# KiCad board Encoder_I2C_AS5600_Panel.kicad_pcb
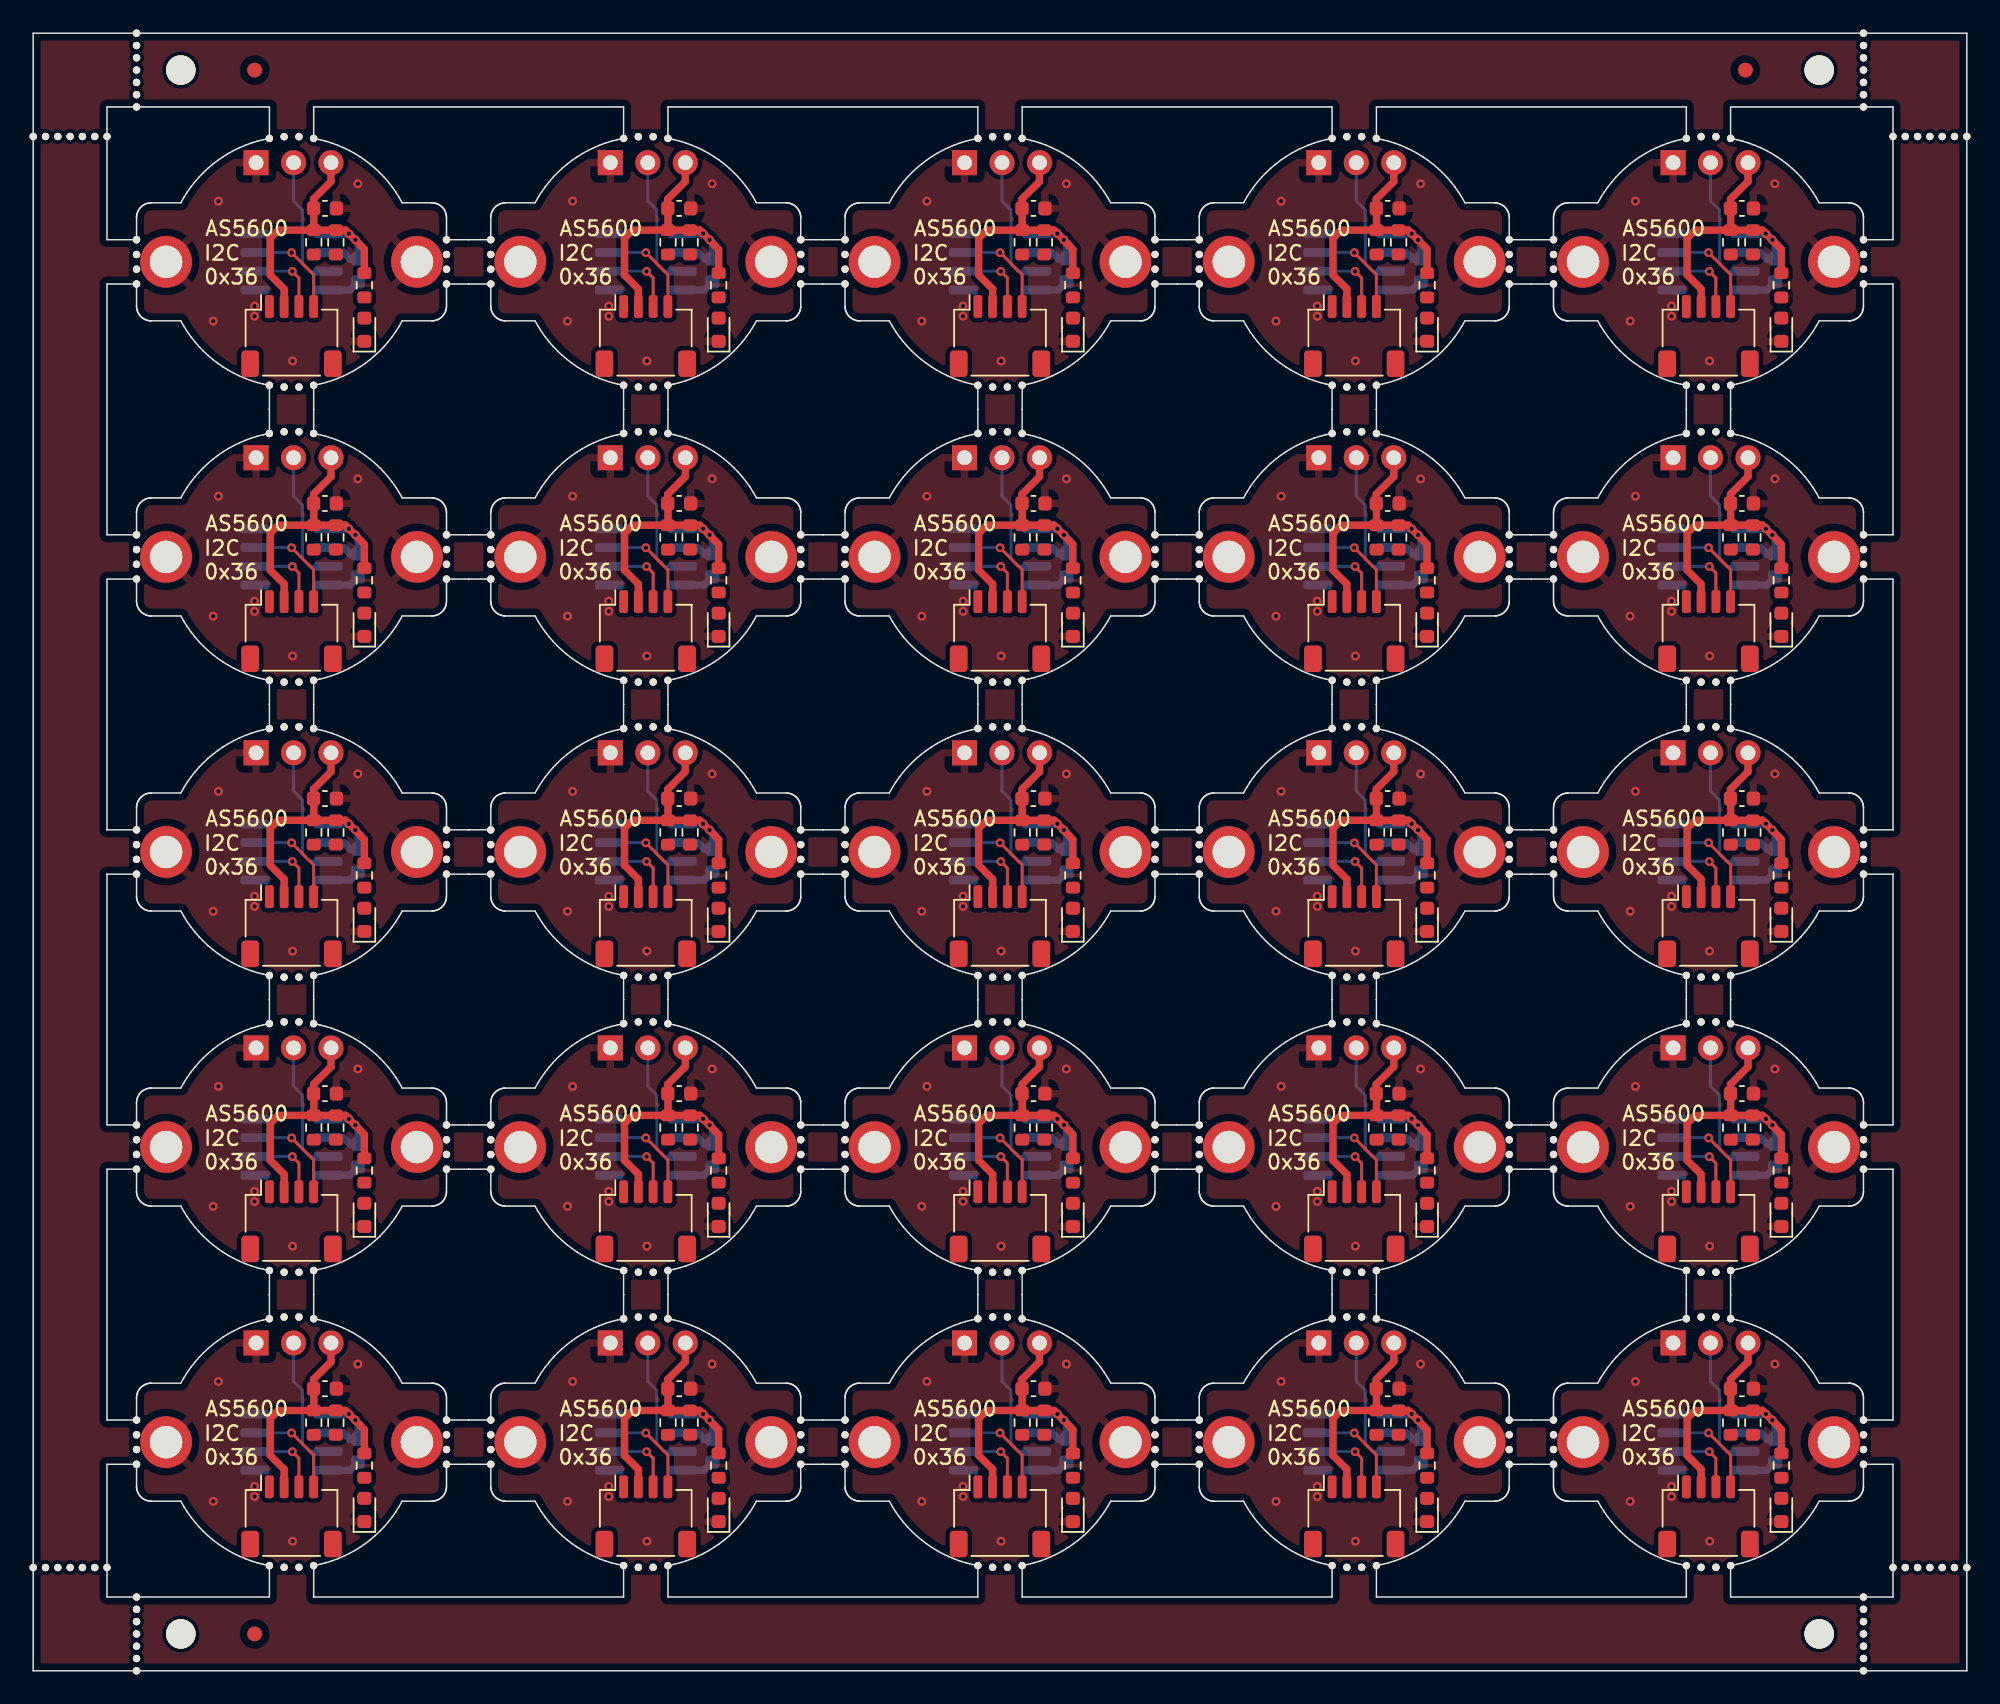
[diagram p0: board, top side]
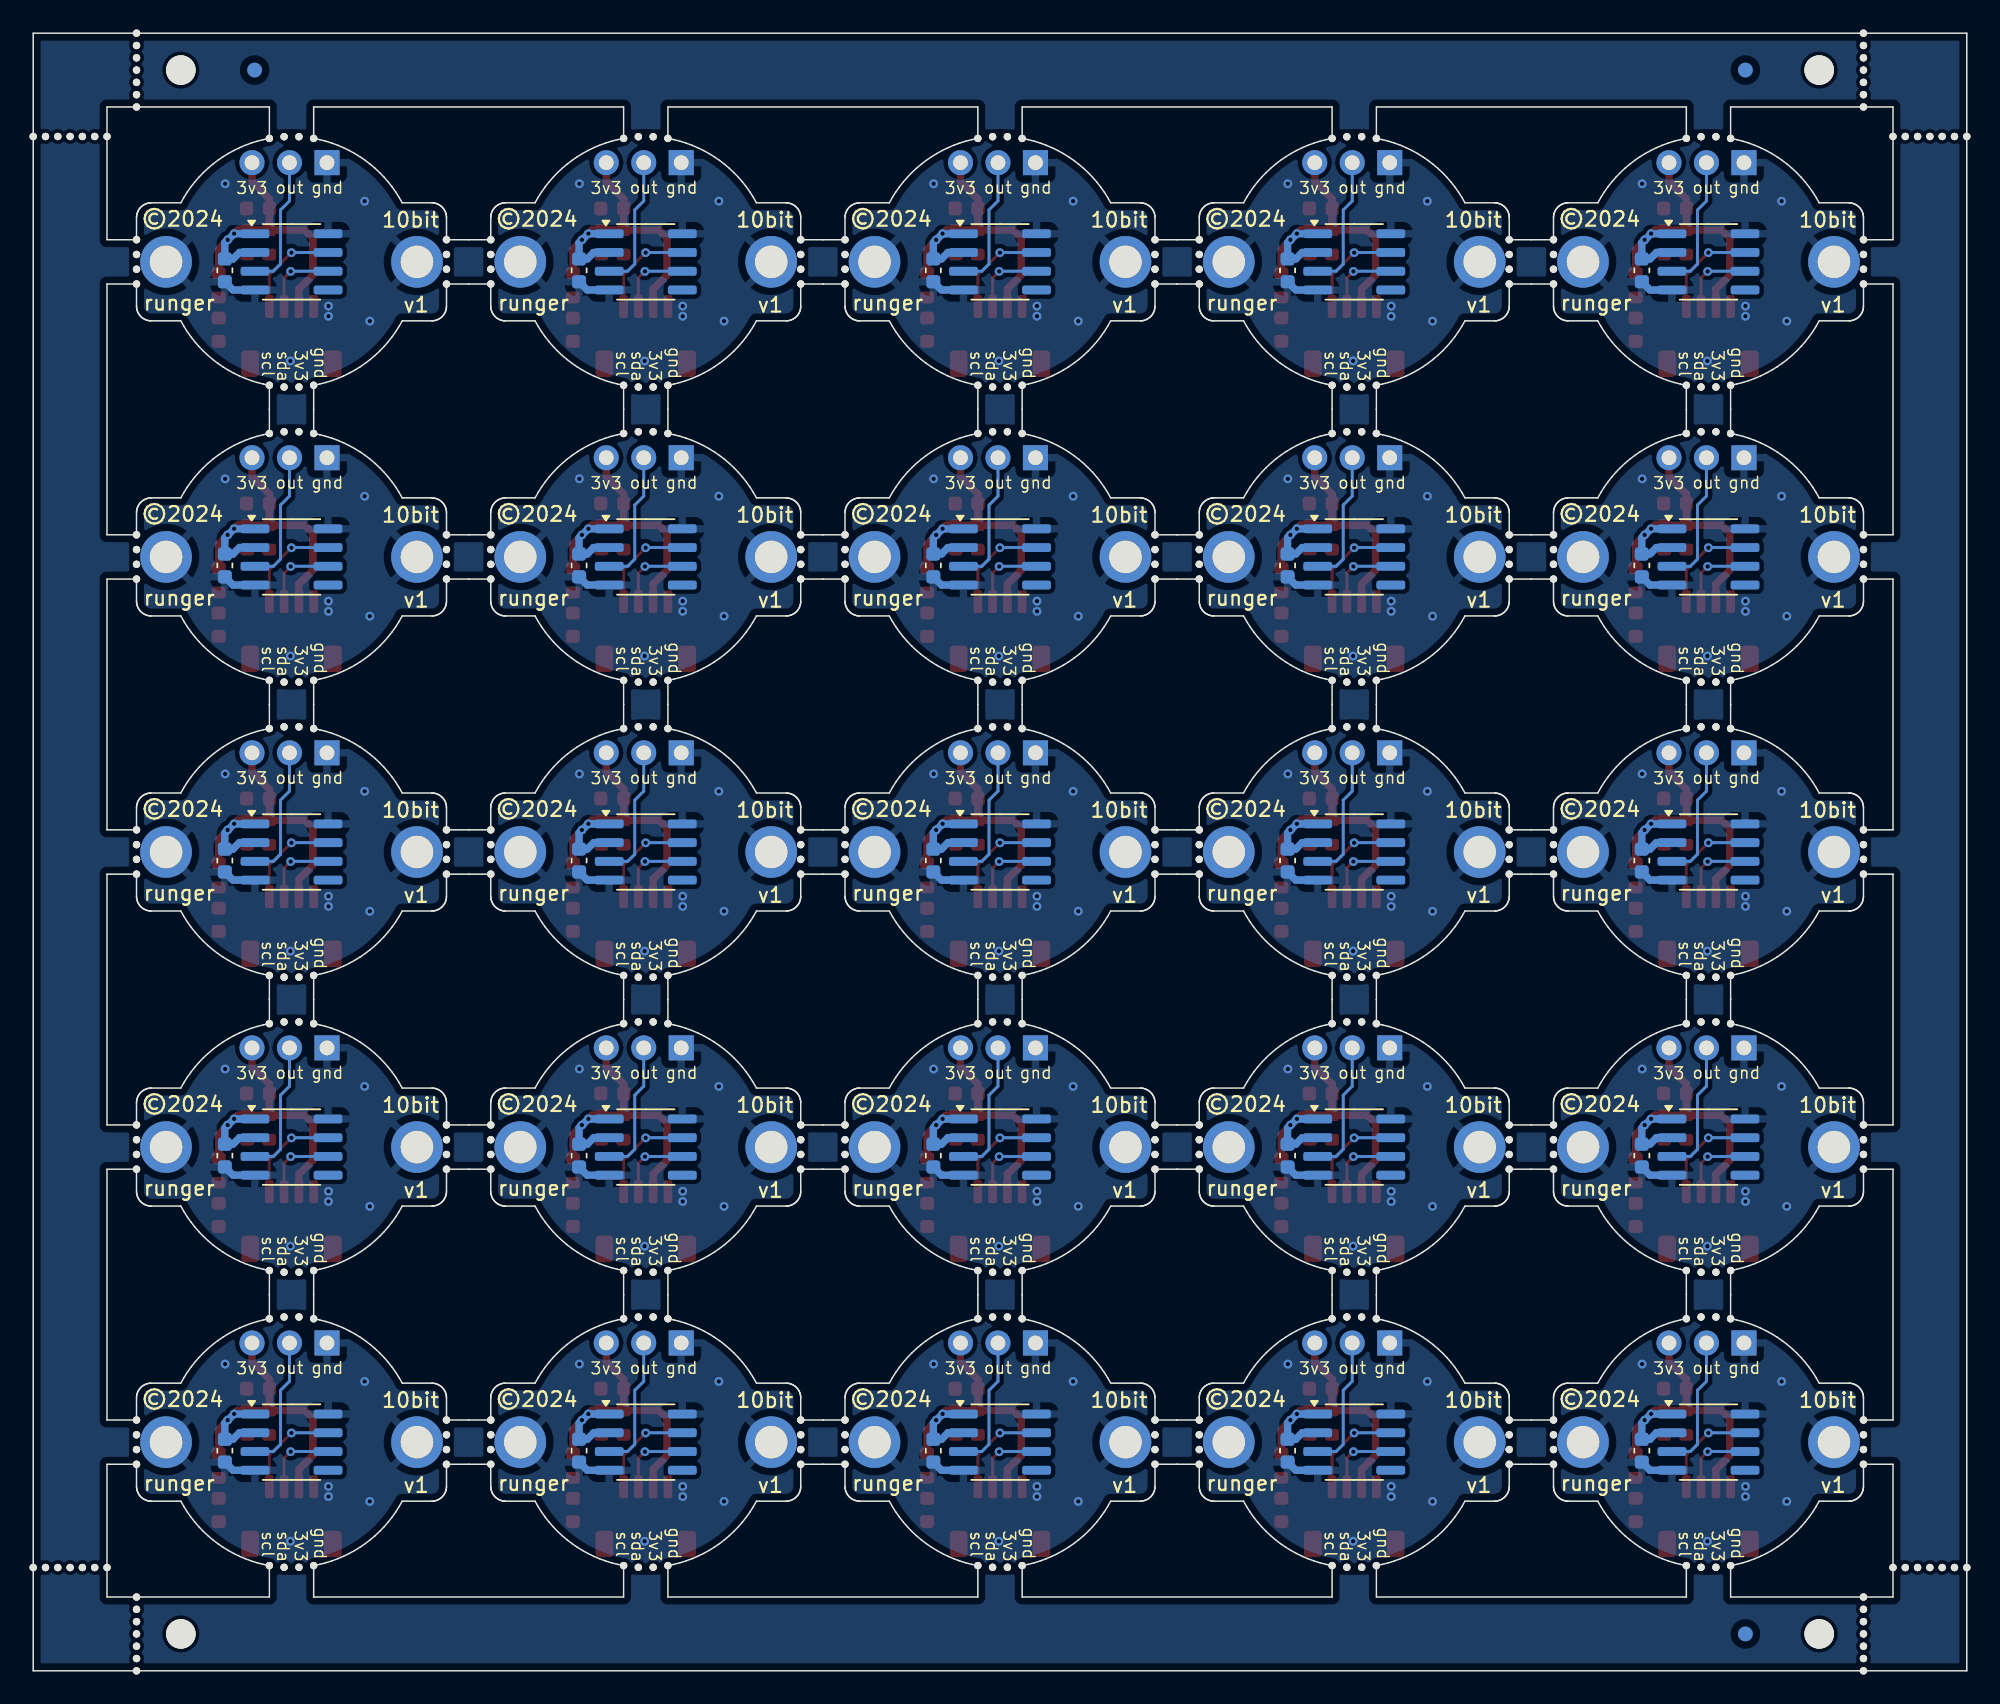
[diagram p1: board, bottom side, seen from below]

Outline 131 x 110.99 mm; copper layers: Top, Bottom. Coordinates in mm from the lower left corner of the outline.

## Placement (name value [footprint] x y rotation side)
C1  10uF  [C_0603_1608Metric]  115.77 99.12 0 top
C1#2  10uF  [C_0603_1608Metric]  91.77 19.12 0 top
C1#3  10uF  [C_0603_1608Metric]  115.77 59.12 0 top
C1#4  10uF  [C_0603_1608Metric]  67.77 39.12 0 top
C1#5  10uF  [C_0603_1608Metric]  91.77 99.12 0 top
C1#6  10uF  [C_0603_1608Metric]  91.77 39.12 0 top
C1#7  10uF  [C_0603_1608Metric]  43.77 39.12 0 top
C1#8  10uF  [C_0603_1608Metric]  67.77 79.12 0 top
C1#9  10uF  [C_0603_1608Metric]  67.77 19.12 0 top
C1#10  10uF  [C_0603_1608Metric]  19.77 59.12 0 top
C1#11  10uF  [C_0603_1608Metric]  67.77 99.12 0 top
C1#12  10uF  [C_0603_1608Metric]  67.77 59.12 0 top
C1#13  10uF  [C_0603_1608Metric]  115.77 79.12 0 top
C1#14  10uF  [C_0603_1608Metric]  43.77 79.12 0 top
C1#15  10uF  [C_0603_1608Metric]  43.77 59.12 0 top
C1#16  10uF  [C_0603_1608Metric]  91.77 59.12 0 top
C1#17  10uF  [C_0603_1608Metric]  19.77 99.12 0 top
C1#18  10uF  [C_0603_1608Metric]  43.77 99.12 0 top
C1#19  10uF  [C_0603_1608Metric]  19.77 39.12 0 top
C1#20  10uF  [C_0603_1608Metric]  115.77 19.12 0 top
C1#21  10uF  [C_0603_1608Metric]  19.77 19.12 0 top
C1#22  10uF  [C_0603_1608Metric]  43.77 19.12 0 top
C1#23  10uF  [C_0603_1608Metric]  19.77 79.12 0 top
C1#24  10uF  [C_0603_1608Metric]  91.77 79.12 0 top
C1#25  10uF  [C_0603_1608Metric]  115.77 39.12 0 top
C2  100nF  [C_0603_1608Metric]  94.02 14.92 90 bottom
C2#2  100nF  [C_0603_1608Metric]  46.02 34.92 90 bottom
C2#3  100nF  [C_0603_1608Metric]  46.02 74.92 90 bottom
C2#4  100nF  [C_0603_1608Metric]  70.02 74.92 90 bottom
C2#5  100nF  [C_0603_1608Metric]  94.02 74.92 90 bottom
C2#6  100nF  [C_0603_1608Metric]  46.02 94.92 90 bottom
C2#7  100nF  [C_0603_1608Metric]  118.02 54.92 90 bottom
C2#8  100nF  [C_0603_1608Metric]  22.02 54.92 90 bottom
C2#9  100nF  [C_0603_1608Metric]  22.02 94.92 90 bottom
C2#10  100nF  [C_0603_1608Metric]  70.02 54.92 90 bottom
C2#11  100nF  [C_0603_1608Metric]  94.02 54.92 90 bottom
C2#12  100nF  [C_0603_1608Metric]  22.02 74.92 90 bottom
C2#13  100nF  [C_0603_1608Metric]  118.02 74.92 90 bottom
C2#14  100nF  [C_0603_1608Metric]  118.02 94.92 90 bottom
C2#15  100nF  [C_0603_1608Metric]  70.02 34.92 90 bottom
C2#16  100nF  [C_0603_1608Metric]  46.02 14.92 90 bottom
C2#17  100nF  [C_0603_1608Metric]  94.02 94.92 90 bottom
C2#18  100nF  [C_0603_1608Metric]  94.02 34.92 90 bottom
C2#19  100nF  [C_0603_1608Metric]  70.02 14.92 90 bottom
C2#20  100nF  [C_0603_1608Metric]  118.02 14.92 90 bottom
C2#21  100nF  [C_0603_1608Metric]  22.02 34.92 90 bottom
C2#22  100nF  [C_0603_1608Metric]  46.02 54.92 90 bottom
C2#23  100nF  [C_0603_1608Metric]  70.02 94.92 90 bottom
C2#24  100nF  [C_0603_1608Metric]  22.02 14.92 90 bottom
C2#25  100nF  [C_0603_1608Metric]  118.02 34.92 90 bottom
D1  LED green  [LED_0603_1608Metric]  94.44 90.9 90 top
D1#2  LED green  [LED_0603_1608Metric]  118.44 90.9 90 top
D1#3  LED green  [LED_0603_1608Metric]  46.44 90.9 90 top
D1#4  LED green  [LED_0603_1608Metric]  46.44 30.9 90 top
D1#5  LED green  [LED_0603_1608Metric]  94.44 50.9 90 top
D1#6  LED green  [LED_0603_1608Metric]  22.44 10.9 90 top
D1#7  LED green  [LED_0603_1608Metric]  118.44 50.9 90 top
D1#8  LED green  [LED_0603_1608Metric]  70.44 30.9 90 top
D1#9  LED green  [LED_0603_1608Metric]  94.44 70.9 90 top
D1#10  LED green  [LED_0603_1608Metric]  46.44 10.9 90 top
D1#11  LED green  [LED_0603_1608Metric]  118.44 70.9 90 top
D1#12  LED green  [LED_0603_1608Metric]  70.44 70.9 90 top
D1#13  LED green  [LED_0603_1608Metric]  70.44 90.9 90 top
D1#14  LED green  [LED_0603_1608Metric]  46.44 70.9 90 top
D1#15  LED green  [LED_0603_1608Metric]  94.44 10.9 90 top
D1#16  LED green  [LED_0603_1608Metric]  22.44 30.9 90 top
D1#17  LED green  [LED_0603_1608Metric]  70.44 50.9 90 top
D1#18  LED green  [LED_0603_1608Metric]  46.44 50.9 90 top
D1#19  LED green  [LED_0603_1608Metric]  22.44 70.9 90 top
D1#20  LED green  [LED_0603_1608Metric]  22.44 90.9 90 top
D1#21  LED green  [LED_0603_1608Metric]  118.44 30.9 90 top
D1#22  LED green  [LED_0603_1608Metric]  94.44 30.9 90 top
D1#23  LED green  [LED_0603_1608Metric]  22.44 50.9 90 top
D1#24  LED green  [LED_0603_1608Metric]  70.44 10.9 90 top
D1#25  LED green  [LED_0603_1608Metric]  118.44 10.9 90 top
H1  MountingHole_Pad  [MountingHole_2.2mm_M2_ISO7380_Pad]  33 15.5 0 top
H1#2  MountingHole_Pad  [MountingHole_2.2mm_M2_ISO7380_Pad]  9 95.5 0 top
H1#3  MountingHole_Pad  [MountingHole_2.2mm_M2_ISO7380_Pad]  57 35.5 0 top
H1#4  MountingHole_Pad  [MountingHole_2.2mm_M2_ISO7380_Pad]  105 55.5 0 top
H1#5  MountingHole_Pad  [MountingHole_2.2mm_M2_ISO7380_Pad]  33 35.5 0 top
H1#6  MountingHole_Pad  [MountingHole_2.2mm_M2_ISO7380_Pad]  33 75.5 0 top
H1#7  MountingHole_Pad  [MountingHole_2.2mm_M2_ISO7380_Pad]  81 15.5 0 top
H1#8  MountingHole_Pad  [MountingHole_2.2mm_M2_ISO7380_Pad]  105 95.5 0 top
H1#9  MountingHole_Pad  [MountingHole_2.2mm_M2_ISO7380_Pad]  105 35.5 0 top
H1#10  MountingHole_Pad  [MountingHole_2.2mm_M2_ISO7380_Pad]  33 55.5 0 top
H1#11  MountingHole_Pad  [MountingHole_2.2mm_M2_ISO7380_Pad]  9 55.5 0 top
H1#12  MountingHole_Pad  [MountingHole_2.2mm_M2_ISO7380_Pad]  57 15.5 0 top
H1#13  MountingHole_Pad  [MountingHole_2.2mm_M2_ISO7380_Pad]  57 95.5 0 top
H1#14  MountingHole_Pad  [MountingHole_2.2mm_M2_ISO7380_Pad]  81 55.5 0 top
H1#15  MountingHole_Pad  [MountingHole_2.2mm_M2_ISO7380_Pad]  105 15.5 0 top
H1#16  MountingHole_Pad  [MountingHole_2.2mm_M2_ISO7380_Pad]  81 75.5 0 top
H1#17  MountingHole_Pad  [MountingHole_2.2mm_M2_ISO7380_Pad]  81 95.5 0 top
H1#18  MountingHole_Pad  [MountingHole_2.2mm_M2_ISO7380_Pad]  57 55.5 0 top
H1#19  MountingHole_Pad  [MountingHole_2.2mm_M2_ISO7380_Pad]  9 35.5 0 top
H1#20  MountingHole_Pad  [MountingHole_2.2mm_M2_ISO7380_Pad]  81 35.5 0 top
H1#21  MountingHole_Pad  [MountingHole_2.2mm_M2_ISO7380_Pad]  57 75.5 0 top
H1#22  MountingHole_Pad  [MountingHole_2.2mm_M2_ISO7380_Pad]  9 15.5 0 top
H1#23  MountingHole_Pad  [MountingHole_2.2mm_M2_ISO7380_Pad]  105 75.5 0 top
H1#24  MountingHole_Pad  [MountingHole_2.2mm_M2_ISO7380_Pad]  9 75.5 0 top
H1#25  MountingHole_Pad  [MountingHole_2.2mm_M2_ISO7380_Pad]  33 95.5 0 top
H2  MountingHole_Pad  [MountingHole_2.2mm_M2_ISO7380_Pad]  98 95.5 0 top
H2#2  MountingHole_Pad  [MountingHole_2.2mm_M2_ISO7380_Pad]  50 15.5 0 top
H2#3  MountingHole_Pad  [MountingHole_2.2mm_M2_ISO7380_Pad]  74 95.5 0 top
H2#4  MountingHole_Pad  [MountingHole_2.2mm_M2_ISO7380_Pad]  98 55.5 0 top
H2#5  MountingHole_Pad  [MountingHole_2.2mm_M2_ISO7380_Pad]  26 35.5 0 top
H2#6  MountingHole_Pad  [MountingHole_2.2mm_M2_ISO7380_Pad]  74 55.5 0 top
H2#7  MountingHole_Pad  [MountingHole_2.2mm_M2_ISO7380_Pad]  122 75.5 0 top
H2#8  MountingHole_Pad  [MountingHole_2.2mm_M2_ISO7380_Pad]  74 15.5 0 top
H2#9  MountingHole_Pad  [MountingHole_2.2mm_M2_ISO7380_Pad]  26 15.5 0 top
H2#10  MountingHole_Pad  [MountingHole_2.2mm_M2_ISO7380_Pad]  122 55.5 0 top
H2#11  MountingHole_Pad  [MountingHole_2.2mm_M2_ISO7380_Pad]  50 35.5 0 top
H2#12  MountingHole_Pad  [MountingHole_2.2mm_M2_ISO7380_Pad]  50 95.5 0 top
H2#13  MountingHole_Pad  [MountingHole_2.2mm_M2_ISO7380_Pad]  122 15.5 0 top
H2#14  MountingHole_Pad  [MountingHole_2.2mm_M2_ISO7380_Pad]  98 75.5 0 top
H2#15  MountingHole_Pad  [MountingHole_2.2mm_M2_ISO7380_Pad]  26 95.5 0 top
H2#16  MountingHole_Pad  [MountingHole_2.2mm_M2_ISO7380_Pad]  122 35.5 0 top
H2#17  MountingHole_Pad  [MountingHole_2.2mm_M2_ISO7380_Pad]  50 55.5 0 top
H2#18  MountingHole_Pad  [MountingHole_2.2mm_M2_ISO7380_Pad]  122 95.5 0 top
H2#19  MountingHole_Pad  [MountingHole_2.2mm_M2_ISO7380_Pad]  98 15.5 0 top
H2#20  MountingHole_Pad  [MountingHole_2.2mm_M2_ISO7380_Pad]  74 35.5 0 top
H2#21  MountingHole_Pad  [MountingHole_2.2mm_M2_ISO7380_Pad]  26 55.5 0 top
H2#22  MountingHole_Pad  [MountingHole_2.2mm_M2_ISO7380_Pad]  26 75.5 0 top
H2#23  MountingHole_Pad  [MountingHole_2.2mm_M2_ISO7380_Pad]  50 75.5 0 top
H2#24  MountingHole_Pad  [MountingHole_2.2mm_M2_ISO7380_Pad]  74 75.5 0 top
H2#25  MountingHole_Pad  [MountingHole_2.2mm_M2_ISO7380_Pad]  98 35.5 0 top
IC1  AS5600L  [SOIC-8_3.9x4.9mm_P1.27mm]  89.5 75.5 180 bottom
IC1#2  AS5600L  [SOIC-8_3.9x4.9mm_P1.27mm]  65.5 95.5 180 bottom
IC1#3  AS5600L  [SOIC-8_3.9x4.9mm_P1.27mm]  17.5 95.5 180 bottom
IC1#4  AS5600L  [SOIC-8_3.9x4.9mm_P1.27mm]  113.5 15.5 180 bottom
IC1#5  AS5600L  [SOIC-8_3.9x4.9mm_P1.27mm]  113.5 55.5 180 bottom
IC1#6  AS5600L  [SOIC-8_3.9x4.9mm_P1.27mm]  41.5 35.5 180 bottom
IC1#7  AS5600L  [SOIC-8_3.9x4.9mm_P1.27mm]  65.5 35.5 180 bottom
IC1#8  AS5600L  [SOIC-8_3.9x4.9mm_P1.27mm]  65.5 75.5 180 bottom
IC1#9  AS5600L  [SOIC-8_3.9x4.9mm_P1.27mm]  17.5 35.5 180 bottom
IC1#10  AS5600L  [SOIC-8_3.9x4.9mm_P1.27mm]  17.5 75.5 180 bottom
IC1#11  AS5600L  [SOIC-8_3.9x4.9mm_P1.27mm]  65.5 55.5 180 bottom
IC1#12  AS5600L  [SOIC-8_3.9x4.9mm_P1.27mm]  89.5 15.5 180 bottom
IC1#13  AS5600L  [SOIC-8_3.9x4.9mm_P1.27mm]  113.5 75.5 180 bottom
IC1#14  AS5600L  [SOIC-8_3.9x4.9mm_P1.27mm]  89.5 35.5 180 bottom
IC1#15  AS5600L  [SOIC-8_3.9x4.9mm_P1.27mm]  113.5 95.5 180 bottom
IC1#16  AS5600L  [SOIC-8_3.9x4.9mm_P1.27mm]  41.5 55.5 180 bottom
IC1#17  AS5600L  [SOIC-8_3.9x4.9mm_P1.27mm]  89.5 95.5 180 bottom
IC1#18  AS5600L  [SOIC-8_3.9x4.9mm_P1.27mm]  89.5 55.5 180 bottom
IC1#19  AS5600L  [SOIC-8_3.9x4.9mm_P1.27mm]  41.5 15.5 180 bottom
IC1#20  AS5600L  [SOIC-8_3.9x4.9mm_P1.27mm]  41.5 95.5 180 bottom
IC1#21  AS5600L  [SOIC-8_3.9x4.9mm_P1.27mm]  17.5 55.5 180 bottom
IC1#22  AS5600L  [SOIC-8_3.9x4.9mm_P1.27mm]  17.5 15.5 180 bottom
IC1#23  AS5600L  [SOIC-8_3.9x4.9mm_P1.27mm]  113.5 35.5 180 bottom
IC1#24  AS5600L  [SOIC-8_3.9x4.9mm_P1.27mm]  65.5 15.5 180 bottom
IC1#25  AS5600L  [SOIC-8_3.9x4.9mm_P1.27mm]  41.5 75.5 180 bottom
J1  Conn_01x04  [JST_SH_SM04B-SRSS-TB_1x04-1MP_P1.00mm_Horizontal]  41.5 90.47 0 top
J1#2  Conn_01x04  [JST_SH_SM04B-SRSS-TB_1x04-1MP_P1.00mm_Horizontal]  113.5 90.47 0 top
J1#3  Conn_01x04  [JST_SH_SM04B-SRSS-TB_1x04-1MP_P1.00mm_Horizontal]  65.5 70.47 0 top
J1#4  Conn_01x04  [JST_SH_SM04B-SRSS-TB_1x04-1MP_P1.00mm_Horizontal]  41.5 10.47 0 top
J1#5  Conn_01x04  [JST_SH_SM04B-SRSS-TB_1x04-1MP_P1.00mm_Horizontal]  113.5 70.47 0 top
J1#6  Conn_01x04  [JST_SH_SM04B-SRSS-TB_1x04-1MP_P1.00mm_Horizontal]  65.5 10.47 0 top
J1#7  Conn_01x04  [JST_SH_SM04B-SRSS-TB_1x04-1MP_P1.00mm_Horizontal]  89.5 50.47 0 top
J1#8  Conn_01x04  [JST_SH_SM04B-SRSS-TB_1x04-1MP_P1.00mm_Horizontal]  17.5 90.47 0 top
J1#9  Conn_01x04  [JST_SH_SM04B-SRSS-TB_1x04-1MP_P1.00mm_Horizontal]  89.5 90.47 0 top
J1#10  Conn_01x04  [JST_SH_SM04B-SRSS-TB_1x04-1MP_P1.00mm_Horizontal]  17.5 70.47 0 top
J1#11  Conn_01x04  [JST_SH_SM04B-SRSS-TB_1x04-1MP_P1.00mm_Horizontal]  65.5 30.47 0 top
J1#12  Conn_01x04  [JST_SH_SM04B-SRSS-TB_1x04-1MP_P1.00mm_Horizontal]  113.5 10.47 0 top
J1#13  Conn_01x04  [JST_SH_SM04B-SRSS-TB_1x04-1MP_P1.00mm_Horizontal]  41.5 70.47 0 top
J1#14  Conn_01x04  [JST_SH_SM04B-SRSS-TB_1x04-1MP_P1.00mm_Horizontal]  41.5 30.47 0 top
J1#15  Conn_01x04  [JST_SH_SM04B-SRSS-TB_1x04-1MP_P1.00mm_Horizontal]  17.5 50.47 0 top
J1#16  Conn_01x04  [JST_SH_SM04B-SRSS-TB_1x04-1MP_P1.00mm_Horizontal]  113.5 50.47 0 top
J1#17  Conn_01x04  [JST_SH_SM04B-SRSS-TB_1x04-1MP_P1.00mm_Horizontal]  89.5 10.47 0 top
J1#18  Conn_01x04  [JST_SH_SM04B-SRSS-TB_1x04-1MP_P1.00mm_Horizontal]  113.5 30.47 0 top
J1#19  Conn_01x04  [JST_SH_SM04B-SRSS-TB_1x04-1MP_P1.00mm_Horizontal]  65.5 90.47 0 top
J1#20  Conn_01x04  [JST_SH_SM04B-SRSS-TB_1x04-1MP_P1.00mm_Horizontal]  65.5 50.47 0 top
J1#21  Conn_01x04  [JST_SH_SM04B-SRSS-TB_1x04-1MP_P1.00mm_Horizontal]  89.5 30.47 0 top
J1#22  Conn_01x04  [JST_SH_SM04B-SRSS-TB_1x04-1MP_P1.00mm_Horizontal]  17.5 30.47 0 top
J1#23  Conn_01x04  [JST_SH_SM04B-SRSS-TB_1x04-1MP_P1.00mm_Horizontal]  17.5 10.47 0 top
J1#24  Conn_01x04  [JST_SH_SM04B-SRSS-TB_1x04-1MP_P1.00mm_Horizontal]  89.5 70.47 0 top
J1#25  Conn_01x04  [JST_SH_SM04B-SRSS-TB_1x04-1MP_P1.00mm_Horizontal]  41.5 50.47 0 top
J3  Conn_01x03  [PinHeader_1x03_P2.54mm_Vertical]  87.1 102.22 90 top
J3#2  Conn_01x03  [PinHeader_1x03_P2.54mm_Vertical]  39.1 102.22 90 top
J3#3  Conn_01x03  [PinHeader_1x03_P2.54mm_Vertical]  87.1 22.22 90 top
J3#4  Conn_01x03  [PinHeader_1x03_P2.54mm_Vertical]  63.1 62.22 90 top
J3#5  Conn_01x03  [PinHeader_1x03_P2.54mm_Vertical]  111.1 42.22 90 top
J3#6  Conn_01x03  [PinHeader_1x03_P2.54mm_Vertical]  15.1 22.22 90 top
J3#7  Conn_01x03  [PinHeader_1x03_P2.54mm_Vertical]  39.1 42.22 90 top
J3#8  Conn_01x03  [PinHeader_1x03_P2.54mm_Vertical]  15.1 82.22 90 top
J3#9  Conn_01x03  [PinHeader_1x03_P2.54mm_Vertical]  87.1 82.22 90 top
J3#10  Conn_01x03  [PinHeader_1x03_P2.54mm_Vertical]  111.1 82.22 90 top
J3#11  Conn_01x03  [PinHeader_1x03_P2.54mm_Vertical]  63.1 82.22 90 top
J3#12  Conn_01x03  [PinHeader_1x03_P2.54mm_Vertical]  63.1 22.22 90 top
J3#13  Conn_01x03  [PinHeader_1x03_P2.54mm_Vertical]  63.1 102.22 90 top
J3#14  Conn_01x03  [PinHeader_1x03_P2.54mm_Vertical]  15.1 42.22 90 top
J3#15  Conn_01x03  [PinHeader_1x03_P2.54mm_Vertical]  87.1 62.22 90 top
J3#16  Conn_01x03  [PinHeader_1x03_P2.54mm_Vertical]  111.1 62.22 90 top
J3#17  Conn_01x03  [PinHeader_1x03_P2.54mm_Vertical]  39.1 22.22 90 top
J3#18  Conn_01x03  [PinHeader_1x03_P2.54mm_Vertical]  15.1 62.22 90 top
J3#19  Conn_01x03  [PinHeader_1x03_P2.54mm_Vertical]  39.1 82.22 90 top
J3#20  Conn_01x03  [PinHeader_1x03_P2.54mm_Vertical]  87.1 42.22 90 top
J3#21  Conn_01x03  [PinHeader_1x03_P2.54mm_Vertical]  111.1 102.22 90 top
J3#22  Conn_01x03  [PinHeader_1x03_P2.54mm_Vertical]  39.1 62.22 90 top
J3#23  Conn_01x03  [PinHeader_1x03_P2.54mm_Vertical]  63.1 42.22 90 top
J3#24  Conn_01x03  [PinHeader_1x03_P2.54mm_Vertical]  111.1 22.22 90 top
J3#25  Conn_01x03  [PinHeader_1x03_P2.54mm_Vertical]  15.1 102.22 90 top
KiKit_FID_B_1  -  [Fiducial]  15 108.49 0 bottom
KiKit_FID_B_2  -  [Fiducial]  116 108.49 0 bottom
KiKit_FID_B_3  -  [Fiducial]  15 2.5 0 bottom
KiKit_FID_T_1  -  [Fiducial]  15 108.49 0 top
KiKit_FID_T_2  -  [Fiducial]  116 108.49 0 top
KiKit_FID_T_3  -  [Fiducial]  15 2.5 0 top
KiKit_MB_1_1  -  [NPTH]  7 94 0 top
KiKit_MB_1_2  -  [NPTH]  7 95 0 top
KiKit_MB_1_3  -  [NPTH]  7 96 0 top
KiKit_MB_1_4  -  [NPTH]  7 97 0 top
KiKit_MB_2_1  -  [NPTH]  28 97 0 top
KiKit_MB_2_2  -  [NPTH]  28 96 0 top
KiKit_MB_2_3  -  [NPTH]  28 95 0 top
KiKit_MB_2_4  -  [NPTH]  28 94 0 top
KiKit_MB_3_1  -  [NPTH]  16 103.86 0 top
KiKit_MB_3_2  -  [NPTH]  17 103.98 0 top
KiKit_MB_3_3  -  [NPTH]  18 103.98 0 top
KiKit_MB_3_4  -  [NPTH]  19 103.86 0 top
KiKit_MB_4_1  -  [NPTH]  19 87.13 0 top
KiKit_MB_4_2  -  [NPTH]  18 87.01 0 top
KiKit_MB_4_3  -  [NPTH]  17 87.01 0 top
KiKit_MB_4_4  -  [NPTH]  16 87.13 0 top
KiKit_MB_5_1  -  [NPTH]  31 94 0 top
KiKit_MB_5_2  -  [NPTH]  31 95 0 top
KiKit_MB_5_3  -  [NPTH]  31 96 0 top
KiKit_MB_5_4  -  [NPTH]  31 97 0 top
KiKit_MB_6_1  -  [NPTH]  52 97 0 top
KiKit_MB_6_2  -  [NPTH]  52 96 0 top
KiKit_MB_6_3  -  [NPTH]  52 95 0 top
KiKit_MB_6_4  -  [NPTH]  52 94 0 top
KiKit_MB_7_1  -  [NPTH]  40 103.86 0 top
KiKit_MB_7_2  -  [NPTH]  41 103.98 0 top
KiKit_MB_7_3  -  [NPTH]  42 103.98 0 top
KiKit_MB_7_4  -  [NPTH]  43 103.86 0 top
KiKit_MB_8_1  -  [NPTH]  43 87.13 0 top
KiKit_MB_8_2  -  [NPTH]  42 87.01 0 top
KiKit_MB_8_3  -  [NPTH]  41 87.01 0 top
KiKit_MB_8_4  -  [NPTH]  40 87.13 0 top
KiKit_MB_9_1  -  [NPTH]  55 94 0 top
KiKit_MB_9_2  -  [NPTH]  55 95 0 top
KiKit_MB_9_3  -  [NPTH]  55 96 0 top
KiKit_MB_9_4  -  [NPTH]  55 97 0 top
KiKit_MB_10_1  -  [NPTH]  76 97 0 top
KiKit_MB_10_2  -  [NPTH]  76 96 0 top
KiKit_MB_10_3  -  [NPTH]  76 95 0 top
KiKit_MB_10_4  -  [NPTH]  76 94 0 top
KiKit_MB_11_1  -  [NPTH]  64 103.86 0 top
KiKit_MB_11_2  -  [NPTH]  65 103.98 0 top
KiKit_MB_11_3  -  [NPTH]  66 103.98 0 top
KiKit_MB_11_4  -  [NPTH]  67 103.86 0 top
KiKit_MB_12_1  -  [NPTH]  67 87.13 0 top
KiKit_MB_12_2  -  [NPTH]  66 87.01 0 top
KiKit_MB_12_3  -  [NPTH]  65 87.01 0 top
KiKit_MB_12_4  -  [NPTH]  64 87.13 0 top
KiKit_MB_13_1  -  [NPTH]  79 94 0 top
KiKit_MB_13_2  -  [NPTH]  79 95 0 top
KiKit_MB_13_3  -  [NPTH]  79 96 0 top
KiKit_MB_13_4  -  [NPTH]  79 97 0 top
KiKit_MB_14_1  -  [NPTH]  100 97 0 top
KiKit_MB_14_2  -  [NPTH]  100 96 0 top
KiKit_MB_14_3  -  [NPTH]  100 95 0 top
KiKit_MB_14_4  -  [NPTH]  100 94 0 top
KiKit_MB_15_1  -  [NPTH]  88 103.86 0 top
KiKit_MB_15_2  -  [NPTH]  89 103.98 0 top
KiKit_MB_15_3  -  [NPTH]  90 103.98 0 top
KiKit_MB_15_4  -  [NPTH]  91 103.86 0 top
KiKit_MB_16_1  -  [NPTH]  91 87.13 0 top
KiKit_MB_16_2  -  [NPTH]  90 87.01 0 top
KiKit_MB_16_3  -  [NPTH]  89 87.01 0 top
KiKit_MB_16_4  -  [NPTH]  88 87.13 0 top
KiKit_MB_17_1  -  [NPTH]  103 94 0 top
KiKit_MB_17_2  -  [NPTH]  103 95 0 top
KiKit_MB_17_3  -  [NPTH]  103 96 0 top
KiKit_MB_17_4  -  [NPTH]  103 97 0 top
KiKit_MB_18_1  -  [NPTH]  124 97 0 top
KiKit_MB_18_2  -  [NPTH]  124 96 0 top
KiKit_MB_18_3  -  [NPTH]  124 95 0 top
KiKit_MB_18_4  -  [NPTH]  124 94 0 top
KiKit_MB_19_1  -  [NPTH]  112 103.86 0 top
KiKit_MB_19_2  -  [NPTH]  113 103.98 0 top
KiKit_MB_19_3  -  [NPTH]  114 103.98 0 top
KiKit_MB_19_4  -  [NPTH]  115 103.86 0 top
KiKit_MB_20_1  -  [NPTH]  115 87.13 0 top
KiKit_MB_20_2  -  [NPTH]  114 87.01 0 top
KiKit_MB_20_3  -  [NPTH]  113 87.01 0 top
KiKit_MB_20_4  -  [NPTH]  112 87.13 0 top
KiKit_MB_21_1  -  [NPTH]  7 74 0 top
KiKit_MB_21_2  -  [NPTH]  7 75 0 top
KiKit_MB_21_3  -  [NPTH]  7 76 0 top
KiKit_MB_21_4  -  [NPTH]  7 77 0 top
KiKit_MB_22_1  -  [NPTH]  28 77 0 top
KiKit_MB_22_2  -  [NPTH]  28 76 0 top
KiKit_MB_22_3  -  [NPTH]  28 75 0 top
KiKit_MB_22_4  -  [NPTH]  28 74 0 top
KiKit_MB_23_1  -  [NPTH]  16 83.86 0 top
KiKit_MB_23_2  -  [NPTH]  17 83.98 0 top
KiKit_MB_23_3  -  [NPTH]  18 83.98 0 top
KiKit_MB_23_4  -  [NPTH]  19 83.86 0 top
KiKit_MB_24_1  -  [NPTH]  19 67.13 0 top
KiKit_MB_24_2  -  [NPTH]  18 67.01 0 top
KiKit_MB_24_3  -  [NPTH]  17 67.01 0 top
KiKit_MB_24_4  -  [NPTH]  16 67.13 0 top
KiKit_MB_25_1  -  [NPTH]  31 74 0 top
KiKit_MB_25_2  -  [NPTH]  31 75 0 top
KiKit_MB_25_3  -  [NPTH]  31 76 0 top
KiKit_MB_25_4  -  [NPTH]  31 77 0 top
KiKit_MB_26_1  -  [NPTH]  52 77 0 top
KiKit_MB_26_2  -  [NPTH]  52 76 0 top
KiKit_MB_26_3  -  [NPTH]  52 75 0 top
KiKit_MB_26_4  -  [NPTH]  52 74 0 top
KiKit_MB_27_1  -  [NPTH]  40 83.86 0 top
KiKit_MB_27_2  -  [NPTH]  41 83.98 0 top
KiKit_MB_27_3  -  [NPTH]  42 83.98 0 top
KiKit_MB_27_4  -  [NPTH]  43 83.86 0 top
KiKit_MB_28_1  -  [NPTH]  43 67.13 0 top
KiKit_MB_28_2  -  [NPTH]  42 67.01 0 top
KiKit_MB_28_3  -  [NPTH]  41 67.01 0 top
KiKit_MB_28_4  -  [NPTH]  40 67.13 0 top
KiKit_MB_29_1  -  [NPTH]  55 74 0 top
KiKit_MB_29_2  -  [NPTH]  55 75 0 top
KiKit_MB_29_3  -  [NPTH]  55 76 0 top
KiKit_MB_29_4  -  [NPTH]  55 77 0 top
KiKit_MB_30_1  -  [NPTH]  76 77 0 top
KiKit_MB_30_2  -  [NPTH]  76 76 0 top
KiKit_MB_30_3  -  [NPTH]  76 75 0 top
KiKit_MB_30_4  -  [NPTH]  76 74 0 top
KiKit_MB_31_1  -  [NPTH]  64 83.86 0 top
KiKit_MB_31_2  -  [NPTH]  65 83.98 0 top
KiKit_MB_31_3  -  [NPTH]  66 83.98 0 top
KiKit_MB_31_4  -  [NPTH]  67 83.86 0 top
KiKit_MB_32_1  -  [NPTH]  67 67.13 0 top
KiKit_MB_32_2  -  [NPTH]  66 67.01 0 top